# Altium PCB CGRA_Board_3.PcbDoc (part 6 of 7) (continued)
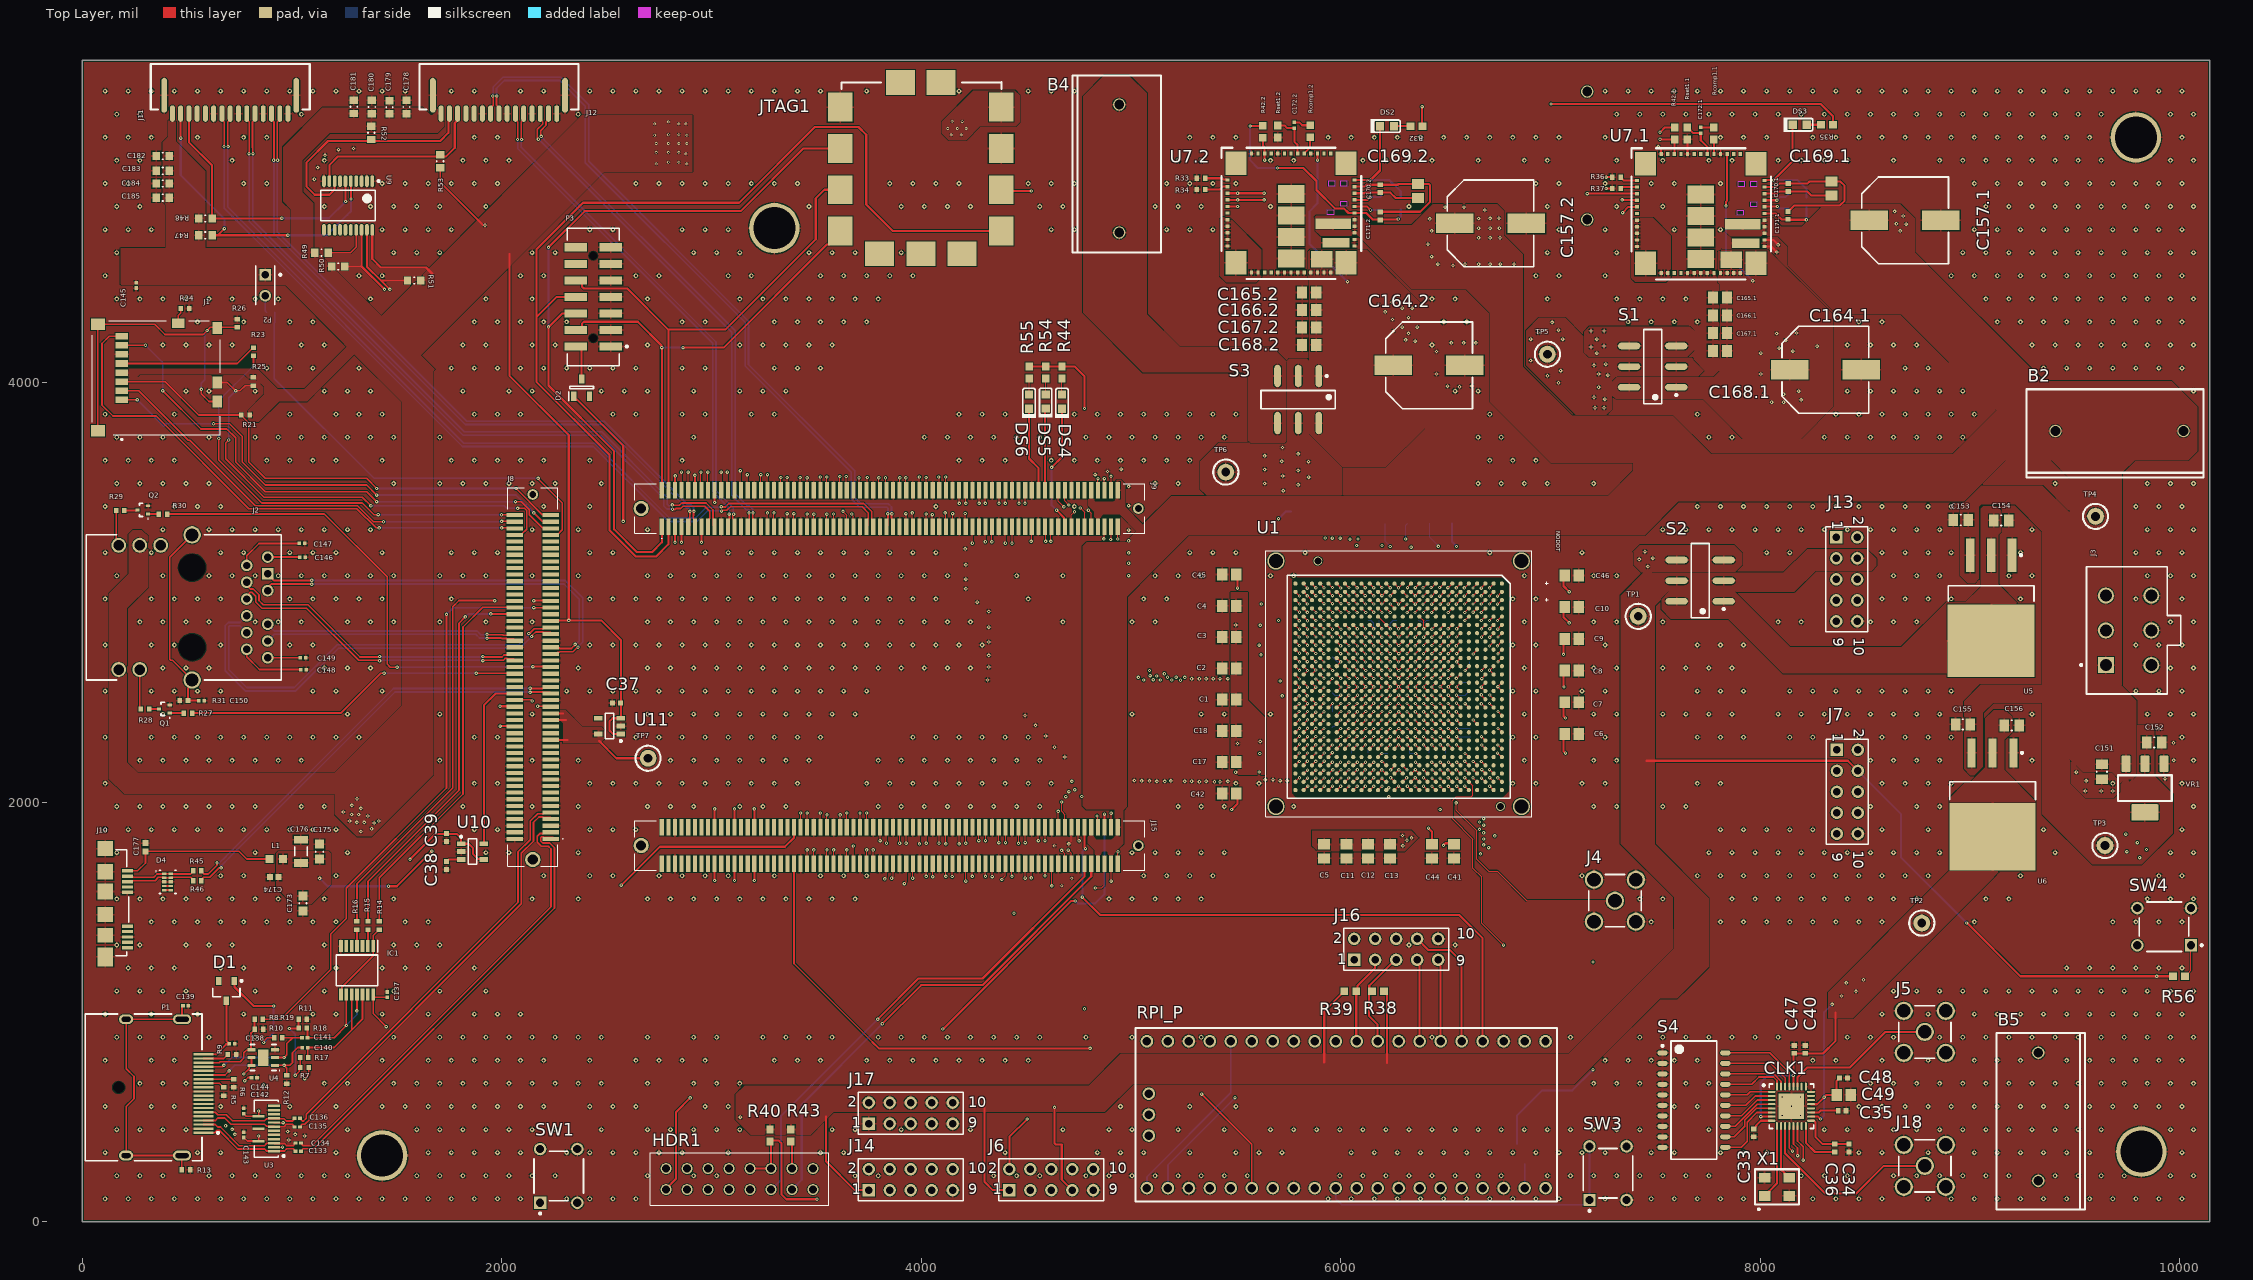
[diagram p0: Top Layer view]
## Nets (pads, with @x,y where several pads share a name; then routed paths per layer and width w, separated by ;. In a path a pad name is that pad's centre, name@x,y a point inside that pad or via, vN(x,y) a via of type N, cw(c..) or ccw(c..) an arc to the next point about the centre after c; other vN are vias at no path point) (continued)
tlx_rev_payload_tdata72: J9.135 U1.AC15 | length 1924.9
  Top Layer w4: v2(4870.41,3256.11) 4870.41,3257.2 4873.62,3260.41 J9.135@4873.62,3314
  Top Layer w5: U1.AC15@5901.86,2491.37 5901.86,2491.97 5919.33,2509.44 v3(5919.33,2510.04)
  Int2 (Sign) w4: v2(4870.41,3256.11) 4746.53,3132.23 4746.53,2760.93 4988.51,2518.94 5709.96,2518.94 v2(5721.46,2507.44)
  Int4 (Sign) w4: v2(5721.46,2507.44) 5738.9,2490 5899.3,2490 v3(5919.33,2510.04)
tlx_rev_payload_tdata73: J9.134 U1.AE14 | length 2133.5
  Top Layer w4: J9.134@4842.13,3487.23 4842.13,3541.04 4843,3541.92 v2(4843,3543)
  Top Layer w5: U1.AE14@5823.12,2530.74 5823.12,2527.22 5841,2509.34 v3(5841,2507.44)
  Int2 (Sign) w4: v2(4843,3543) 4887,3499 4887,3227.52 4754.59,3095.11 4754.59,2764.26 4991.85,2527 5825,2527 5841,2511 v3(5841,2507.44)
tlx_rev_payload_tdata74: J9.137 U1.AC14 | length 1891
  Top Layer w4: v2(4902.92,3253.08) 4902.92,3254.16 4905.12,3256.35 J9.137@4905.12,3314
  Top Layer w5: U1.AC14@5901.86,2530.74 5901.86,2530.88 5920,2549.02 v3(5920,2549.16)
  Int2 (Sign) w4: v2(4902.92,3253.08) 4902.92,3226.52 4762.59,3086.18 4762.59,2767.58 4995.17,2535 5903.84,2535 5918,2549.16 v3(5920,2549.16)
tlx_rev_payload_tdata75: J9.136 U1.AB13 | length 2214.5
  Top Layer w4: v2(4873,3543) 4873.62,3542.38 J9.136@4873.62,3487.23
  Top Layer w5: U1.AB13@5941.23,2570.11 5941.23,2570.79 5959.76,2589.32 v3(5959.76,2590)
  Int2 (Sign) w4: v2(4873,3543) 4891,3543 4921,3513 4921,3212.07 4789.43,3080.5 4789.43,2778.7 5018.13,2550 5760.46,2550 5775.46,2565 5934.76,2565 v3(5959.76,2590)
tlx_rev_payload_tdata76: J9.139 U1.AC13 | length 1800.4
  Top Layer w4: J9.139@4936.61,3314 4937,3313.61 v2(4937,3255)
  Top Layer w5: v3(5880.94,2588) 5882.45,2588 5900.35,2570.11 U1.AC13@5901.86,2570.11
  Int2 (Sign) w4: v2(4937,3255) 4937,3215.8 4801.7,3080.5 4801.7,2783.78 5027.98,2557.5 5750.99,2557.5 5767.49,2574 5864.94,2574 5878.94,2588 v3(5880.94,2588)
tlx_rev_payload_tdata77: J9.138 U1.AE13 | length 2128.1
  Top Layer w4: v2(4905,3554) 4905,3487.35 J9.138@4905.12,3487.23
  Top Layer w5: U1.AE13@5823.12,2570.11 5823.12,2568.87 5841.58,2550.4 v3(5841.58,2549.16)
  Int2 (Sign) w4: v2(4905,3554) 4921,3570 4937,3570 4962.86,3544.14 4962.86,3036.62 4811.24,2885 4811.24,2787.73 5031.97,2567 5379.11,2567 5387.61,2575.5 5708.54,2575.5 v2(5711,2577.96)
  Int4 (Sign) w4: v2(5711,2577.96) 5721.46,2577.96 5726.94,2572.48 5818.26,2572.48 v3(5841.58,2549.16)
tlx_rev_payload_tdata78: J15.138 U1.AC12 | length 1421.3
  Top Layer w4: J15.138@4905.12,1880.23 v2(4905.12,1947.87)
  Top Layer w5: U1.AC12@5901.86,2609.48 5901.86,2609.23 5920,2591.09 v3(5920,2590.84)
  Int4 (Sign) w4: v2(4905.12,1947.87) 4954.24,1997 5104.09,1997 5210.38,2103.29 5210.38,2129.73 5708.62,2627.97 5750.54,2627.97 5774.51,2604 5906.84,2604 v3(5920,2590.84)
tlx_rev_payload_tdata79: J15.139 U1.AF12 | length 1365.8
  Top Layer w4: J15.139@4936.61,1707 4936.61,1763 v2(4937.85,1764.23)
  Top Layer w5: U1.AF12@5783.75,2609.48 5783.75,2609.03 5803,2589.77 v3(5803,2588)
  Int4 (Sign) w4: v2(4937.85,1764.23) 4963.11,1789.5 4973.27,1789.5 5064,1880.23 5064,1937 5225,2098 5225,2124.89 5716.11,2616 5747.54,2616 5775.54,2588 v3(5803,2588)
tlx_rev_payload_tready: J15.124 U1.AC2 | length 2134.1
  Top Layer w4: v2(4669.5,2001.62) 4669.5,1956.52 4684.65,1941.37 J15.124@4684.65,1880.23
  Top Layer w5: U1.AC2@5901.86,3003.18 v3(5920,2985)
  Int2 (Sign) w4: v2(5060,2583.27) 5060,2620.12 5103.74,2663.86 5103.74,2787.41 5275.89,2959.57 5546,2959.57 5621.55,3035.11 5700.89,3035.11 5732.93,3003.07 5901.93,3003.07 v3(5920,2985)
  Int4 (Sign) w4: v2(4669.5,2001.62) 4669.5,2141.63 4899.37,2371.5 5028.24,2371.5 5049.99,2393.25 5060,2403.26 v2(5060,2583.27)
tlx_rev_payload_tvalid: J15.123 U1.AC3 | length 2304.7
  Top Layer w4: v4(4669.5,1770.71) 4684.65,1755.57 J15.123@4684.65,1707
  Top Layer w5: U1.AC3@5901.86,2963.81 5902.52,2963.81 5919.33,2947 v3(5920,2947)
  Int2 (Sign) w4: v4(4669.5,1770.71) 4669.5,1946.5 4689,1966 v2(4689,2027) ; v2(5088,2628) 5113.75,2653.75 5113.75,2786.82 5276.49,2949.55 5555,2949.55 5626.45,3021 5703.46,3021 5760.46,2964 5903,2964 v3(5920,2947)
  Int4 (Sign) w4: v2(4689,2027) 4689,2149.87 4899.13,2360 5028.24,2360 5064,2395.76 5076,2407.76 5076,2616 v2(5088,2628)
tpiu_trace_clk: J6.2 U1.AF4 | length 4226.7
  Top Layer w5: U1.AF4@5783.75,2924.44 5784.08,2924.44 5802.67,2905.84 v3(5803,2905.84)
  Top Layer w10: J6.2@4420,251 4420,405 v2(4505,490)
  Int2 (Sign) w4: v2(5140,2583) 5140,2603.09 5144.31,2607.39 5144.31,2774.95 5285.82,2916.46 5287.29,2917.93 5790.91,2917.93 v3(5803,2905.84)
  Int4 (Sign) w4: v2(4505,490) 4635,620 4635,1132.55 4223.9,1543.65 4197,1570.55 4197,1840.2 4234.2,1877.4 4272.8,1916 4637.15,1916 4747.15,2026 4747.15,2156.03 4905.12,2314 5028.24,2314 5145.37,2431.13 5140,2436.5 v2(5140,2583)
tpiu_trace_data0: J6.10 U1.AC6 | length 4168.2
  Top Layer w5: U1.AC6@5901.86,2845.7 5901.86,2845.17 5920,2827.03 v3(5920,2826.5)
  Int2 (Sign) w4: v2(5256,2595.85) 5211.7,2640.15 5211.7,2778.7 5300,2867 5557.55,2867 5580.69,2843.86 v2(5616,2843.86)
  Int4 (Sign) w4: J6.10@4820,251 4820,409 4705.85,523.15 4705.85,1161.9 4354.78,1512.97 4354.78,1833.55 4366.38,1845.15 4689.8,1845.15 4818,1973.35 4818,2156.03 4905.12,2243.15 5028.24,2243.15 5256,2470.91 v2(5256,2595.85) ; v2(5616,2843.86) 5664.76,2843.86 5672.26,2851.36 5895.14,2851.36 v3(5920,2826.5)
tpiu_trace_data1: J6.8 U1.AB6 | length 4237.9
  Top Layer w4: J6.8@4720,251 4728,251 J6.8@4731,248
  Top Layer w5: U1.AB6@5941.23,2845.7 5941.23,2845.08 5960.54,2825.77 v3(5960.54,2825.15)
  Top Layer w10: J6.8@4731,248 J6.8@4731,264.69
  Int2 (Sign) w4: v2(5236,2582) 5236,2597 5194.3,2638.7 5194.3,2771.91 5298.09,2875.7 5559.46,2875.7 5575.16,2860 5661,2860 5681,2840 5945.69,2840 v3(5960.54,2825.15)
  Int4 (Sign) w4: J6.8@4720,251 4720,490 4694.35,515.65 4694.35,1157.13 4321.64,1529.84 4321.64,1827.24 4351.05,1856.65 4681.36,1856.65 4806.5,1981.79 4806.5,2156.03 4905.12,2254.65 5028.24,2254.65 5236,2462.41 v2(5236,2582)
  Bottom Layer w10: J6.8@4720,251 J6.8@4720,253.69
tpiu_trace_data2: J6.6 U1.AE5 | length 4141.9
  Top Layer w5: U1.AE5@5823.12,2885.07 5823.12,2884.52 5841.58,2866.05 v3(5841.58,2865.5)
  Top Layer w10: J6.6@4620,251 J6.6@4620,253.69
  Int2 (Sign) w4: v2(5215,2596) 5215,2607.39 5185,2637.39 5185,2773.21 5296.79,2885 5562.69,2885 5580.19,2867.5 5667.5,2867.5 5686,2849 5825.08,2849 v3(5841.58,2865.5)
  Int4 (Sign) w4: J6.6@4620,251 4620,453.72 4682.85,516.57 4682.85,1152.37 4322.25,1512.97 4291,1544.22 4291,1837.15 4322,1868.15 4675.15,1868.15 4795,1988 4795,2156.03 4905.12,2266.15 5028.24,2266.15 5215,2452.91 v2(5215,2596)
  Bottom Layer w10: J6.6@4620,251 J6.6@4620,253.69
tpiu_trace_data3: J6.4 U1.AD5 | length 4267.3
  Top Layer w5: U1.AD5@5862.49,2885.07 5862.62,2885.07 5881.19,2866.5 v3(5881.32,2866.5)
  Top Layer w10: J6.4@4519,252 J6.4@4520,251
  Int2 (Sign) w4: v2(5194.3,2583.27) 5194.3,2617.48 5171.65,2640.14 5171.65,2770.47 5296.61,2895.43 5675.03,2895.43 v2(5703.46,2867)
  Int4 (Sign) w4: J6.4@4520,251 4520,384 4669.5,533.5 4669.5,1146.84 4259,1557.34 4259,1853.41 4287.09,1881.5 4677.89,1881.5 4787.5,1991.11 4787.5,2161.88 4905.12,2279.5 5028.24,2279.5 5179.87,2431.13 5194.3,2445.56 v2(5194.3,2583.27) ; v2(5703.46,2867) 5721.46,2885 5863.32,2885 5881.32,2867 v3(5881.32,2866.5)
  Bottom Layer w10: J6.4@4519,252 J6.4@4520,251
tpiu_trace_swo: J6.7 U1.AC5 | length 4411.3
  Top Layer w5: U1.AC5@5901.86,2885.07 v3(5920,2867)
  Top Layer w10: v2(4635,545.64) 4635,376.01 4642.56,368.46 4670,368.46 4670,201 J6.7@4720,151
  Int2 (Sign) w4: v2(5174,2596) 5174,2624.28 5160.37,2637.91 5160.37,2769.8 5293.51,2902.93 5694.5,2902.93 5717.43,2880 5907,2880 v3(5920,2867)
  Int4 (Sign) w4: v2(4635,545.64) 4658,568.64 4658,1142.08 4234.2,1565.88 4229,1571.08 4229,1839.67 4234.2,1844.87 4282.33,1893 4674.15,1893 4780,1998.85 4780,2164.99 4905.12,2290.11 4905.12,2291 5028.24,2291 5168.37,2431.13 5174,2436.76 v2(5174,2596)
uart0_rxd: J15.137 U1.AE4 | length 2425.7
  Top Layer w4: v2(4905.12,1624) J15.137@4905.12,1707
  Top Layer w5: U1.AE4@5823.12,2924.44 5823.12,2923.79 5841,2905.9 v3(5841,2905.25)
  Int2 (Sign) w4: v2(4732,2060) 4733.65,2060 4734,2059.65 4734,1698.13 4822.13,1610 4891.12,1610 v2(4905.12,1624) ; v2(5122,2602) 5136.81,2616.81 5136.81,2778.05 5278.32,2919.56 5284.19,2925.43 5820.82,2925.43 v3(5841,2905.25)
  Int4 (Sign) w4: v2(4732,2060) 4733.65,2060 4734,2060.35 4734,2154.38 4905.12,2325.5 5028.24,2325.5 5123,2420.26 5130,2427.26 5122,2435.26 v2(5122,2602)
uart0_txd: J15.135 U1.AD4 | length 2501.5
  Top Layer w4: v2(4830.01,1591.51) 4860.51,1591.51 4873.62,1604.62 J15.135@4873.62,1707
  Top Layer w5: U1.AD4@5862.49,2924.44 v3(5882,2905)
  Int2 (Sign) w4: v2(4718,2100) 4718,1703.52 4724.15,1697.37 v2(4830.01,1591.51) ; v2(5106,2584) 5106,2613.39 5129.31,2636.7 5129.31,2781.16 5270.82,2922.67 5282.15,2934 5609.99,2934 v2(5621.55,2945.56)
  Int4 (Sign) w4: v2(4718,2100) 4718,2149.88 4905.12,2337 5028.24,2337 5113.75,2422.51 5106,2430.27 v2(5106,2584) ; v2(5621.55,2945.56) 5641.1,2926 5861,2926 v3(5882,2905)
uart1_rxd: J15.125 U1.AF3 | length 2179.2
  Top Layer w4: v4(4701,1772) 4716.14,1756.86 J15.125@4716.14,1707
  Top Layer w5: U1.AF3@5783.75,2963.81 5784.22,2963.81 5802.53,2945.5 v3(5803,2945.5)
  Int2 (Sign) w4: v4(4701,1772) 4686,1787 4686,1931 4704,1949 v2(4704,2051) ; v2(5091,2604) 5091,2609 5121.81,2639.81 5121.81,2784.27 5279.04,2941.5 5557.55,2941.5 5629.55,3013.5 5694.5,3013.5 5753.5,2954.5 5793.5,2954.5 5802.5,2945.5 v3(5803,2945.5)
  Int4 (Sign) w4: v2(4704,2051) 4704,2154.26 4898.24,2348.5 5028.24,2348.5 5087.5,2407.76 5093,2413.26 5091,2415.26 v2(5091,2604)
uart1_txd: J15.134 U1.AB4 | length 2075.9
  Top Layer w4: v2(4838,1935) 4838,1933.92 4842.13,1929.79 J15.134@4842.13,1880.23
  Top Layer w5: U1.AB4@5941.23,2924.44 5941.39,2924.44 5960.83,2905 v3(5961,2905)
  Int2 (Sign) w4: v2(4765,2028) 4838,1955 v2(4838,1935) ; v2(5159,2613) 5159,2624.35 5152.87,2630.48 5152.87,2772.91 5290.4,2910.43 5704.62,2910.43 5727.56,2887.5 5910.11,2887.5 5910.61,2887 5943,2887 v3(5961,2905)
  Int4 (Sign) w4: v2(4765,2028) 4765,2154.38 4761,2158.38 4905.12,2302.5 5028.24,2302.5 5156.87,2431.13 5159,2433.26 v2(5159,2613)
USB1_D_R_N: D4.1 D4.10 J10.2 R45.2 | length 333
  Top Layer w8: J10.2@215.94,1647.5 219.82,1643.62 242.28,1643.62 243.21,1642.7 341.27,1642.7 356.79,1658.21 390.16,1658.21 D4.1@392,1660.06 D4.10@422.32,1660.06 424.16,1658.21 487.85,1658.21 487.92,1658.29 517.25,1658.29 521.94,1662.97 521.94,1667.69 R45.2@528.77,1674.52 ; R45.2@528.27,1675.02 R45.2@528.77,1675.52
USB1_D_R_P: D4.2 D4.9 J10.3 R46.2 | length 332.3
  Top Layer w8: J10.3@215.94,1621.91 219.82,1625.78 242.28,1625.78 243.21,1626.7 347.9,1626.7 363.41,1642.21 390.16,1642.21 D4.2@392,1640.37 D4.9@422.32,1640.37 424.16,1642.21 494.47,1642.21 494.55,1642.29 517.25,1642.29 521.94,1637.6 521.94,1632.88 R46.2@528.77,1626.06
USB3_D_N: J8.47 R45.1 | length 2059.3
  Top Layer w8: R45.1@568.14,1674.52 574.96,1667.69 574.96,1662.97 579.65,1658.29 601.29,1658.29 643.28,1700.28 v2(643.28,1711.1) ; v2(2136,2543.87) 2137.53,2542.34 2143.19,2542.34 2143.41,2542.12 2194.68,2542.12 2196.58,2544.03 2228.89,2544.03 J8.47@2234.73,2549.87 ; J8.47@2234.98,2549.62 J8.47@2237.73,2552.37
  Bottom Layer w8: v2(643.28,1711.1) 645.52,1708.85 652.15,1708.85 686.93,1743.63 686.93,1744.34 1484.71,2542.12 2128.59,2542.12 2128.81,2542.34 2134.47,2542.34 v2(2136,2543.87)
USB3_D_P: J8.45 R46.1 | length 2054.6
  Top Layer w8: R46.1@568.14,1626.06 574.96,1632.88 574.96,1637.6 579.65,1642.29 607.92,1642.29 652.94,1687.31 v2(662.93,1687.31) ; v2(2136,2524.37) 2137.53,2525.9 2143.19,2525.9 2143.41,2526.12 2194.68,2526.12 2196.58,2524.21 2228.89,2524.21 J8.45@2234.73,2518.37 ; J8.45@2237.48,2521.12 J8.45@2237.73,2520.87
  Bottom Layer w8: v2(662.93,1687.31) 661.4,1688.84 661.4,1695.47 702.93,1737 702.93,1737.71 1491.34,2526.12 2128.59,2526.12 2128.81,2525.9 2134.47,2525.9 v2(2136,2524.37)
USB_VBUS_OUT: C177.2 J10.1 L1.2 | length 762.8
  Top Layer w8: J10.1@215.94,1673.09 264.09,1673.09 302,1711 C177.2@302,1766.31 747.86,1766.31 784.61,1729.57 L1.2@892.54,1729.57
pads on no net: CLK1.20 CLK1.22 CLK1.23 CLK1.26 D1.2 D2.2 D5.2 HDR1.3 HDR1.4 HDR1.5 HDR1.6 HDR1.7 HDR1.8 IC1.3 IC1.5 IC1.6 IC1.13 J2.15 J2.MH1 J2.MH2 J6.3 J6.5 J7.1 J7.2 J7.3 J8.32 J8.34 J8.50 J8.51 J8.68 J8.75 J8.76 J8.83 J8.84 J8.91 J8.92 J8.MH1 J8.MH2 J9.MH1 J9.MH2 J10.4 J10.6 J10.7 J10.9 J10.10 J11.4 J11.5 J12.4 J12.5 J13.1 J13.2 J13.3 J14.3 J14.5 J14.7 J15.1 J15.2 J15.3 J15.4 J15.7 J15.8 J15.9 J15.10 J15.13 J15.14 J15.15 J15.16 J15.19 J15.20 J15.21 J15.22 J15.25 J15.26 J15.27 J15.28 J15.31 J15.32 J15.33 J15.34 J15.35 J15.36 J15.37 J15.38 J15.39 J15.40 J15.MH1 J15.MH2 J16.4 J16.6 JTAG1.5 JTAG1.6 JTAG1.7 JTAG1.12 JTAG1.13 P1.7 P1.9 P1.10 P1.12 P1.25 P3.12 P3.14 P3.MH1 P3.MH2 RPI_P.41 RPI_P.43 U1.A1 U1.A11 U1.A12 U1.A15 U1.A16 U1.A18 U1.A20 U1.A23 U1.A24 U1.A26 U1.AA5 U1.AA22 U1.AB8 U1.AB9 U1.AB10 U1.AB12 U1.AB14 U1.AB15 U1.AB17 U1.AB18 U1.AB19 U1.AB20 U1.AF1 U1.AF24 U1.AF26 U1.B9 U1.B10 U1.B13 U1.B14 U1.B17 U1.B18 U1.B19 U1.B20 U1.B21 U1.B22 U1.B23 U1.C8 U1.C9 U1.C10 U1.C17 U1.C18 U1.C19 U1.C22 U1.C26 U1.D5 U1.D6 U1.D7 U1.D8 U1.D10 U1.D11 U1.D12 U1.D13 U1.D14 U1.D15 U1.D16 U1.D17 U1.D19 U1.D20 U1.D21 U1.D22 U1.D26 U1.E6 U1.E7 U1.E8 U1.E9 U1.E10 U1.E12 U1.E13 U1.E14 U1.E15 U1.E17 U1.E18 U1.E19 U1.E20 U1.E21 U1.F4 U1.F5 U1.F22 U1.G5 U1.G22 U1.H4 U1.H5 U1.H22 U1.J5 U1.J22 U1.K5 U1.K22 U1.K23 U1.M5 U1.M22 U1.M23 U1.MH1 U1.MH2 U1.MH3 U1.MH4 U1.MH5 U1.MH6 U1.N5 U1.N22 U1.P5 U1.P22 U1.R5 U1.R22 U1.T23 U1.U5 U1.U22 U1.V5 U1.V22 U1.W5 U1.W22 U1.Y5 U1.Y22 U3.4 U3.6 U3.10 U3.12 U3.14 U4.7 U7.1.1 U7.1.2 U7.1.3 U7.1.8 U7.1.9 U7.1.11 U7.1.13 U7.1.15 U7.1.21 U7.1.30 U7.1.31 U7.2.1 U7.2.2 U7.2.3 U7.2.8 U7.2.9 U7.2.11 U7.2.13 U7.2.15 U7.2.21 U7.2.30 U7.2.31 U9.11 U9.12 U9.13 U9.14 U9.15 U9.16 U11.4
copper on no net: | length 0.8
  Int2 (Sign) w8: 1335,820 1335,820.83
  other v2: 9808,1736 9747,1765 9841,1775 9797.05,1808 9742,1848

## Polygon pours and split planes (outlines as drawn)
GND on Top Layer "GND_L01_P077" (solid, remove dead copper, pour order 77): 1,0 1,5538 10144,5538 10144,0
5V0 on Top Layer "5V0_L01_P046" (solid, pour order 46): 925.02,1756.2 935.13,1766.31 1175.69,1766.31 1185,1757 1185,1607 1093,1515 1003.92,1515 925.02,1593.91
1V8_OUT on Top Layer "1V8_OUT_L01_P071" (solid, pour order 71): 3187,416 3116,487 3116,608 3158,650 4799,650 4950,801 7087.84,801 7588,1301.16 7588,1395 7626.96,1395 7691.96,1330 7691.96,1153.96 7604,1066 7522,1066 7113,657 5008,657 4876,525 3582,525 3473,416
1V8_OUT on Top Layer "1V8_OUT_L01_P069" (solid, pour order 69): 7333.53,2985.82 7442.03,3094.32 8110.32,3094.32 8223,3207 8508,3207 8553,3162 8553,3128 8530,3105 8265,3105 8162.85,3002.85 7563.6,3002.85 7497,2936.25 7497,1799.68 7753.46,1543.23 7753.46,1215.18 7653.28,1115 7624,1115 7589,1150 7589,1548 7333.53,1803.47
0V8_OUT on Top Layer "0V8_OUT_L01_P056" (solid, pour order 56): 5474.69,2131 5474.69,3001.36 5557,3001.36 5557,2487 5640,2404 5640,2131
GND on Top Layer "GND_L01_P043" (solid, pour order 43): 7808,4635 8036,4635 8122,4549 8131,4558 8133,4558 8133,4650 8085,4698 7856.31,4698 7823.98,4730.32 7823,4730.32 7823,4650
GND on Top Layer "GND_L01_P042" (solid, pour order 42): 7636.69,5020.69 7650,5034 7749,5034 7823,4960 7823,4649.33 7822.33,4649.33 7796,4623 7796,4480 7808,4468 7808,4057 7736,4057 7684.5,4108.5 7684.5,4247.5 7636.69,4295.31
12V on Top Layer "12V_L01_P013" (solid, pour order 13): 7609,3434 7449,3274 5274,3274 4980,2980 4980,1978 4968,1966 4787,1966 4769,1984 4769,3221 4788,3240 4973,3240 5192.26,3459.26 7273.05,3459.26 7394,3580.2 7394,3652
12V on Top Layer "12V_L01_P009" (solid, pour order 9): 7841,4712.32 7823,4730.32 7823,4778 7831,4786 8058,4786 8100.18,4743.82 8197.91,4743.82 8304.09,4850 8668,4850 8735,4783 8735,4389 8672,4326 8365,4326 8133,4558 8133,4650 8085,4698 7856.31,4698 7841.98,4712.32
12V on Top Layer "12V_L01_P015" (solid, pour order 15): 4787,1966 4794,1959 4794,1805 4827,1772 4827,1656 4836,1647 4848,1647 4858,1657 4858,1759 4866,1767 4883,1767 4889,1761 4889,1657 4895,1651 4913,1651 4920,1658 4920,1758 4964,1802 4964,1962 4968,1966 4959,1975 4922,1975 4922,1837 4907,1822 4835,1822 4824,1833 4824,1947.87 4842.13,1966
0V8_OUT on Top Layer "0V8_OUT_L01_P058" (solid, pour order 58): 5863.08,1792.92 5863.08,1865.5 6336.39,1865.5 6371.39,1830.5 6369.5,1830.5 6305,1766 5890,1766
3V3 on Top Layer "3V3_L01_P067" (solid, pour order 67): 981,4620.08 995.64,4634.72 995.64,4826.2 957.83,4864.02 957.83,5123.74 1145.67,5311.58 1624.21,5311.58 1661.78,5274 1670.13,5274 1689.73,5293.6 1689.73,5309.48 1705.44,5325.19 1717.38,5325.19 1725.83,5316.74 1725.83,5221.83 1695.04,5191.03 1180.27,5191.03 1050,5060.76 1050,4908.4 1103,4855.4 1103,4645.79
3V3 on Top Layer "3V3_L01_P063" (solid, pour order 63): 399,4849 399,4620.08 426.08,4593 573,4593 587.89,4607.89 587.89,4866.89
3V3 on Top Layer "3V3_L01_P055" (solid, pour order 55): 2382,5274 2909,5274 2909,5007 2488,5007 1606,4125 1585,4125 1425,4285 1426,4318
3V3 on Top Layer "3V3_L01_P053" (solid, pour order 53): 1286,1861 1205,1942 1205,2140 1527,2462 1527,3908 970,4465 189,4465 183,4471 183,4642 1103,4642 1681,4064 1673,4056 1673,2131 1380,1838 1310,1838
3V3 on Top Layer "3V3_L01_P073" (solid, pour order 73): 4447,5393 4469,5371 4469,5242 4450,5223 4280,5223 4214,5157 4131,5157 4099,5189 4099,5245 4247,5393
3V3 on Top Layer "3V3_L01_P036" (solid, pour order 36): 8905,1677 8323,1095 8323,971 8441,971 9113,1643 9113,1729 8956,1729 8902,1675
GTR_VCC on Top Layer "GTR_VCC_L01_P076" (solid, pour order 76): 2293,2282 2468,2282 2488,2302 2488,2346 2477,2357 2385.54,2357 2304.54,2438 2275.88,2438 2275.88,2394.12 2293,2377
12V on Top Layer "12V_L01_P014" (solid, pour order 14): 4797,3531 4803,3537 4821,3537 4826,3532 4826,3438 4832,3432 4915,3432 4924,3441 4924,3532 4929,3537 4952,3537 4972,3517 4972,3409 5057,3324 5026,3293 4948,3371 4948,3372 4867,3372 4858,3363 4858,3237.5 4851,3230.5 4836.5,3230.5 4826,3241 4826,3385.24 4797,3414.24
0V8_OUT on Top Layer "0V8_OUT_L01_P018" (solid, remove dead copper, pour order 18): 5740,3720 5740,4099 5755,4114 5838,4114 5850,4102 5850,3756 6007,3599 6007,3467.22 5999.04,3459.26 5363.97,3459.26 5331,3492.23 5331,3626 5418,3713 5733,3713
NetU7_U_TPSM846C23_template2_22 on Top Layer "NETU7_U_TPSM846C23_TEMPLATE2_22_L01_P070" (solid, pour order 70): 5424,4509 5424,4779 5435,4790 5467,4790 5622,4635 5622,4504 5597,4479 5454,4479
3V3 on Top Layer "3V3_L01_P066" (solid, pour order 66): 155.95,4029.42 155.95,4067.54 834.22,4067.54 931.76,3970 1059.53,3970 1276.03,4186.5 1306.57,4155.96 1306.57,4146.5 1072.07,3912 940,3912 841.84,3813.84 800.32,3813.84 784.36,3829.8 784.36,3862.3 867.21,3945.14 867.21,3980.97 837.65,4010.53 799.54,4010.53 798.7,4011.36 798.7,4014.3 772.99,4040.01 274.61,4040.01 264.02,4029.42
3V3 on Top Layer "3V3_L01_P065" (solid, pour order 65): 1216,2030.28 1205.28,2041 200,2041 128,2113 128,2995 222,3089 222,3278.62 241,3297.61 284.29,3297.61 314.49,3267.41 314.49,3025.62 213.88,2925 213.88,2190.21 264.09,2140 1226.01,2140 1395.01,1971 1395.01,1936.01 1370,1911 1335,1911 1205,2041
3V3 on Top Layer "3V3_L01_P064" (solid, pour order 64): 385,5146 411,5172 411,5324 421,5334 437,5334 449,5322 447,5320 447,5144
3V3 on Top Layer "3V3_L01_P047" (solid, pour order 47): 525,4849 399,4849 383.98,4864.02 383.98,5145.57 417.41,5179 587.89,5008.52 587.89,4866.89 573,4852
3V3 on Top Layer "3V3_L01_P052" (solid, pour order 52): 8902,2020.5 8971.5,2090 8995,2090 9073,2168 9073,2400 9113,2440 9166.99,2440 9197.39,2409.59 9197.39,2331.83 9163.57,2298 9163.57,2154 9314,2003.57 9314,1672 9140,1672 9082,1614 9026.42,1669.58 8897.58,1669.58 8902,1674
12V on Top Layer "12V_L01_P002" (solid, pour order 2): 5866,4737.5 5866,4780.72 5882.46,4797.19 6095.81,4797.19 6142,4751 6338,4751 6438,4851 6745,4851 6776,4820 6776,4623 6598,4445 6338,4445 6083,4700 5903.5,4700
1V8_PM on Top Layer "1V8_PM_L01_P050" (solid, pour order 50): 6883,4248 6944,4309 7069,4309 7157.39,4220.61 7157.39,4141 7180.39,4118 7674,4118 7732,4060 7703,4031 7317,4031 7292,4006 7292,3872 7266,3846 7120,3846 6883,4083
NetU7_U_TPSM846C23_template1_22 on Top Layer "NETU7_U_TPSM846C23_TEMPLATE1_22_L01_P040" (solid, pour order 40): 7385,4500 7385,4771 7400,4786 7488.21,4786 7573,4701.21 7573,4504 7549.5,4480.5 7403.5,4480.5 7388,4496
5V0 on Top Layer "5V0_L01_P032" (solid, pour order 32): 9345,2560 9049.79,2560 8971.5,2481.71 8971.5,2158.93 9001.43,2129 9020,2129 9061,2170 9061,2426 9110,2475 9362,2475 9362,2531 9380,2549
5V0 on Top Layer "5V0_L01_P030" (solid, pour order 30): 9761,2097 9793,2129 9793,2367 9861,2367 9878,2350 9878,2127 9967,2038 9967,1853 9818,1704 9583,1704 9345,1942 9345,3289.98 9213.98,3421 9054,3421 9042,3409 9042,3065 9022,3045 8989,3045 8954,3080 8954,3416 9048,3510 9345,3510 9476,3379 9476,2090 9548,2018 9687,2018 9718,2049 9718,2087 9728,2097
1V8_LDO_INT on Top Layer "1V8_LDO_INT_L01_P029" (solid, pour order 29): 7529,2968.25 7563.6,3002.85 7878.15,3002.85 8142,2739 8672,2739 8886,2953 8978,2953 9051,3026 9051,3400 9062,3411 9128,3411 9148,3391 9148,3290 9134,3276 9134,3040 9301,2873 9301,2659 9257,2615 8108,2615 7848,2875 7573.67,2875 7529,2919.67
1V8_EXT on Top Layer "1V8_EXT_L01_P027" (solid, pour order 27): 7485,3096 7877,3096 7913,3132 7913,3188 7875,3226 7426,3226 7394,3194 7397,3191 7397,3133 7433,3097 7485,3097
1V8_PSM_INT on Top Layer "1V8_PSM_INT_L01_P024" (solid, pour order 24): 7310,3923 7294.31,3938.68 7294.31,4005.74 7314.57,4026 7777,4026 7808,4057 7849.15,4015.85 7849.15,3897.03 7807,3854.88 7807,3842 7726,3923
1V8_EXT on Top Layer "1V8_EXT_L01_P023" (solid, pour order 23): 7160,4243 7185,4268 7664,4268 7684.5,4247.5 7684.5,4157.01 7650.5,4123 7181,4123 7160,4144
12V on Top Layer "12V_L01_P019" (solid, pour order 19): 7582.67,3842.67 7102.33,3842.67 6868,4077 6868,4611.74 6776,4703.74 6598,4525.74 6598,4445 6709.66,4333.34 6709.66,3910.34 7002,3618 7420.02,3618 7590.02,3788 7582.67,3795.35
0V8_EXT on Top Layer "0V8_EXT_L01_P017" (solid, pour order 17): 4772,5366 4873,5467 4988,5467 5076,5379 5076,4327 5234,4169 5673,4169 5740,4102 5740,3720 5733,3713 5571,3713 5560,3724 5560,4025 5536,4049 5057.13,4049 4772,4334.13
12V on Top Layer "12V_L01_P016" (solid, pour order 16): 9378.9,3639.05 9476,3541.95 9476,2206 9537,2145 9675.57,2145 9710,2110.57 9774.57,2110.57 9793,2129 9793,2485 9721,2557 9724,2560 9724,3570 9790.97,3636.97
12V on Top Layer "12V_L01_P011" (solid, pour order 11): 9128,3870 8917,3659 7766.33,3659 7582.67,3842.67 7391.5,3651.5 7609,3434 8971,3434 9168,3631
12V on Top Layer "12V_L01_P010" (solid, pour order 10): 8672,4326 9128,3870 9128,3671 9168,3631 10040,3631 10083,3674 10083,3886 9962,4007 9351,4007 8735,4623
1V8_PSM_INT on Top Layer "1V8_PSM_INT_L01_P005" (solid, pour order 5): 7808,4403 7808,4468 7796,4480 7796,4623 7808,4635 8036,4635 8345,4326 8345,3885 8194,3734 7915,3734 7807,3842 7807,4099
0V8_INT on Top Layer "0V8_INT_L01_P001" (solid, pour order 1): 5850,4493 5843,4500 5843,4624 5854,4635 6124,4635 6400,4359 6400,3784 6215,3599 6007,3599 5850,3756
GND on Bottom Layer "GND_L10_P075" (solid, pour order 75): 1,0 1,5538 10144,5538 10144,0
5V0 on Bottom Layer "5V0_L10_P049" (solid, pour order 49): 9041.99,1347.99 9578,1884 9825,1884 9893,1816 9877,1800 9877,1689 9389,1201 6782,1201 6565,1418 6030,1418 5821,1209 2171.99,1209 1488.49,1892.49 1616.5,2020.5 2220,1417 5562,1417 5831,1686 6782,1686 7128,1340 8195.99,1340
3V3 on Bottom Layer "3V3_L10_P057" (solid, pour order 57): 1823,1331 1250,758 1065.52,758 1059,751.48 1059,720.26 1010,671.26 863.74,671.26 829,706 831,708 831,728 827,732 774,732 742,700 742,388 768,362 858.46,362 874.46,378 874.46,549.54 839,585 869,615 1047,615 1143,711 1274,711 1863,1300
1V8_PM on Bottom Layer "1V8_PM_L10_P004" (solid, pour order 4): 5730,3383 5745,3398 6058,3398 6078,3378 6078,3327 6069,3318 5750,3318 5730,3338
3V3 on Bottom Layer "3V3_L10_P051" (solid, pour order 51): 2700,5274 5068,5274 5260,5466 7019,5466 7048,5437 7048,5311 7019,5282 5336,5282 5061,5007 2700,5007
3V3 on Bottom Layer "3V3_L10_P048" (solid, pour order 48): 2164,1199 1312.01,2050.99 1205,1943.98 2143.98,1005 8448,1005 8546,1103 8546,1147 8494,1199
0V8_INT on Bottom Layer "0V8_INT_L10_P074" (solid, pour order 74): 6385,4048.62 6317.31,3980.93 6162.41,3980.93 6105,4038.33 6105,4415.32 6322.68,4415.32 6385,4353
1V8_PSM_INT on Bottom Layer "1V8_PSM_INT_L10_P062" (solid, pour order 62): 8250,4285 8300,4235 8300,3987.35 8177.72,3865.07 8008.22,3865.07 7955,3918.29 7959.93,3923.22 7959.93,4200.07 8043.62,4283.76 8250,4283.76
12V on Bottom Layer "12V_L10_P044" (solid, pour order 44): 8486.05,4615.52 8447,4654.56 8447,4956 8472,4981 8481,4972 8952,4972 8971,4953 8971,4710 8876.52,4615.52
1V8_EXT on Bottom Layer "1V8_EXT_L10_P026" (solid, pour order 26): 7080,4214 7080,3343 7327,3096 7488,3096 7516,3124 7516,3180 7468,3228 7405,3228 7174.8,3458.2 7174.8,4124
1V8_EXT on Bottom Layer "1V8_EXT_L10_P021" (solid, pour order 21): 7080,5400 7137,5457 7195,5457 7238,5414 7228,5404 7228,4309 7285,4252 7285,4148 7261,4124 7170,4124 7080,4214
12V on Bottom Layer "12V_L10_P003" (solid, pour order 3): 6826,4955 6898,4883 6898,4565 6868,4535 6446,4535 6385,4596 6385,4877 6463,4955
GND on Int5 (Sign) "GND_L06_P033" (solid, pour order 33): 7040,3926 7583,3383 7583,1750 7108,1275 2182,1275 1287,2170 1287,3623 1590,3926
GND on GND (split plane): 10122.9,20.1 20.1,20.1 20.1,5517.9 10122.9,5517.9
1V8_PM on 1V8 (split plane): 10122.9,20.1 20.1,20.1 20.1,5517.9 10122.9,5517.9
0V8_OUT on 0V8_OUT (split plane): 10122.9,20.1 20.1,20.1 20.1,5517.9 10122.9,5517.9
GND on GND (Plane4) (split plane): 10122.9,20.1 20.1,20.1 20.1,5517.9 10122.9,5517.9

## Other copper
Top Layer:
  pour cut-out: 5784.51,2027.11 5769.41,2042 5769.41,3058.18 5782.04,3070.81 6773.19,3070.81 6801,3043 6801,2052.12 6767.8,2018.92 5791.93,2018.92 5783.75,2027.11